# Altium PCB MotherBoard.PcbDoc (part 4 of 10) (continued)
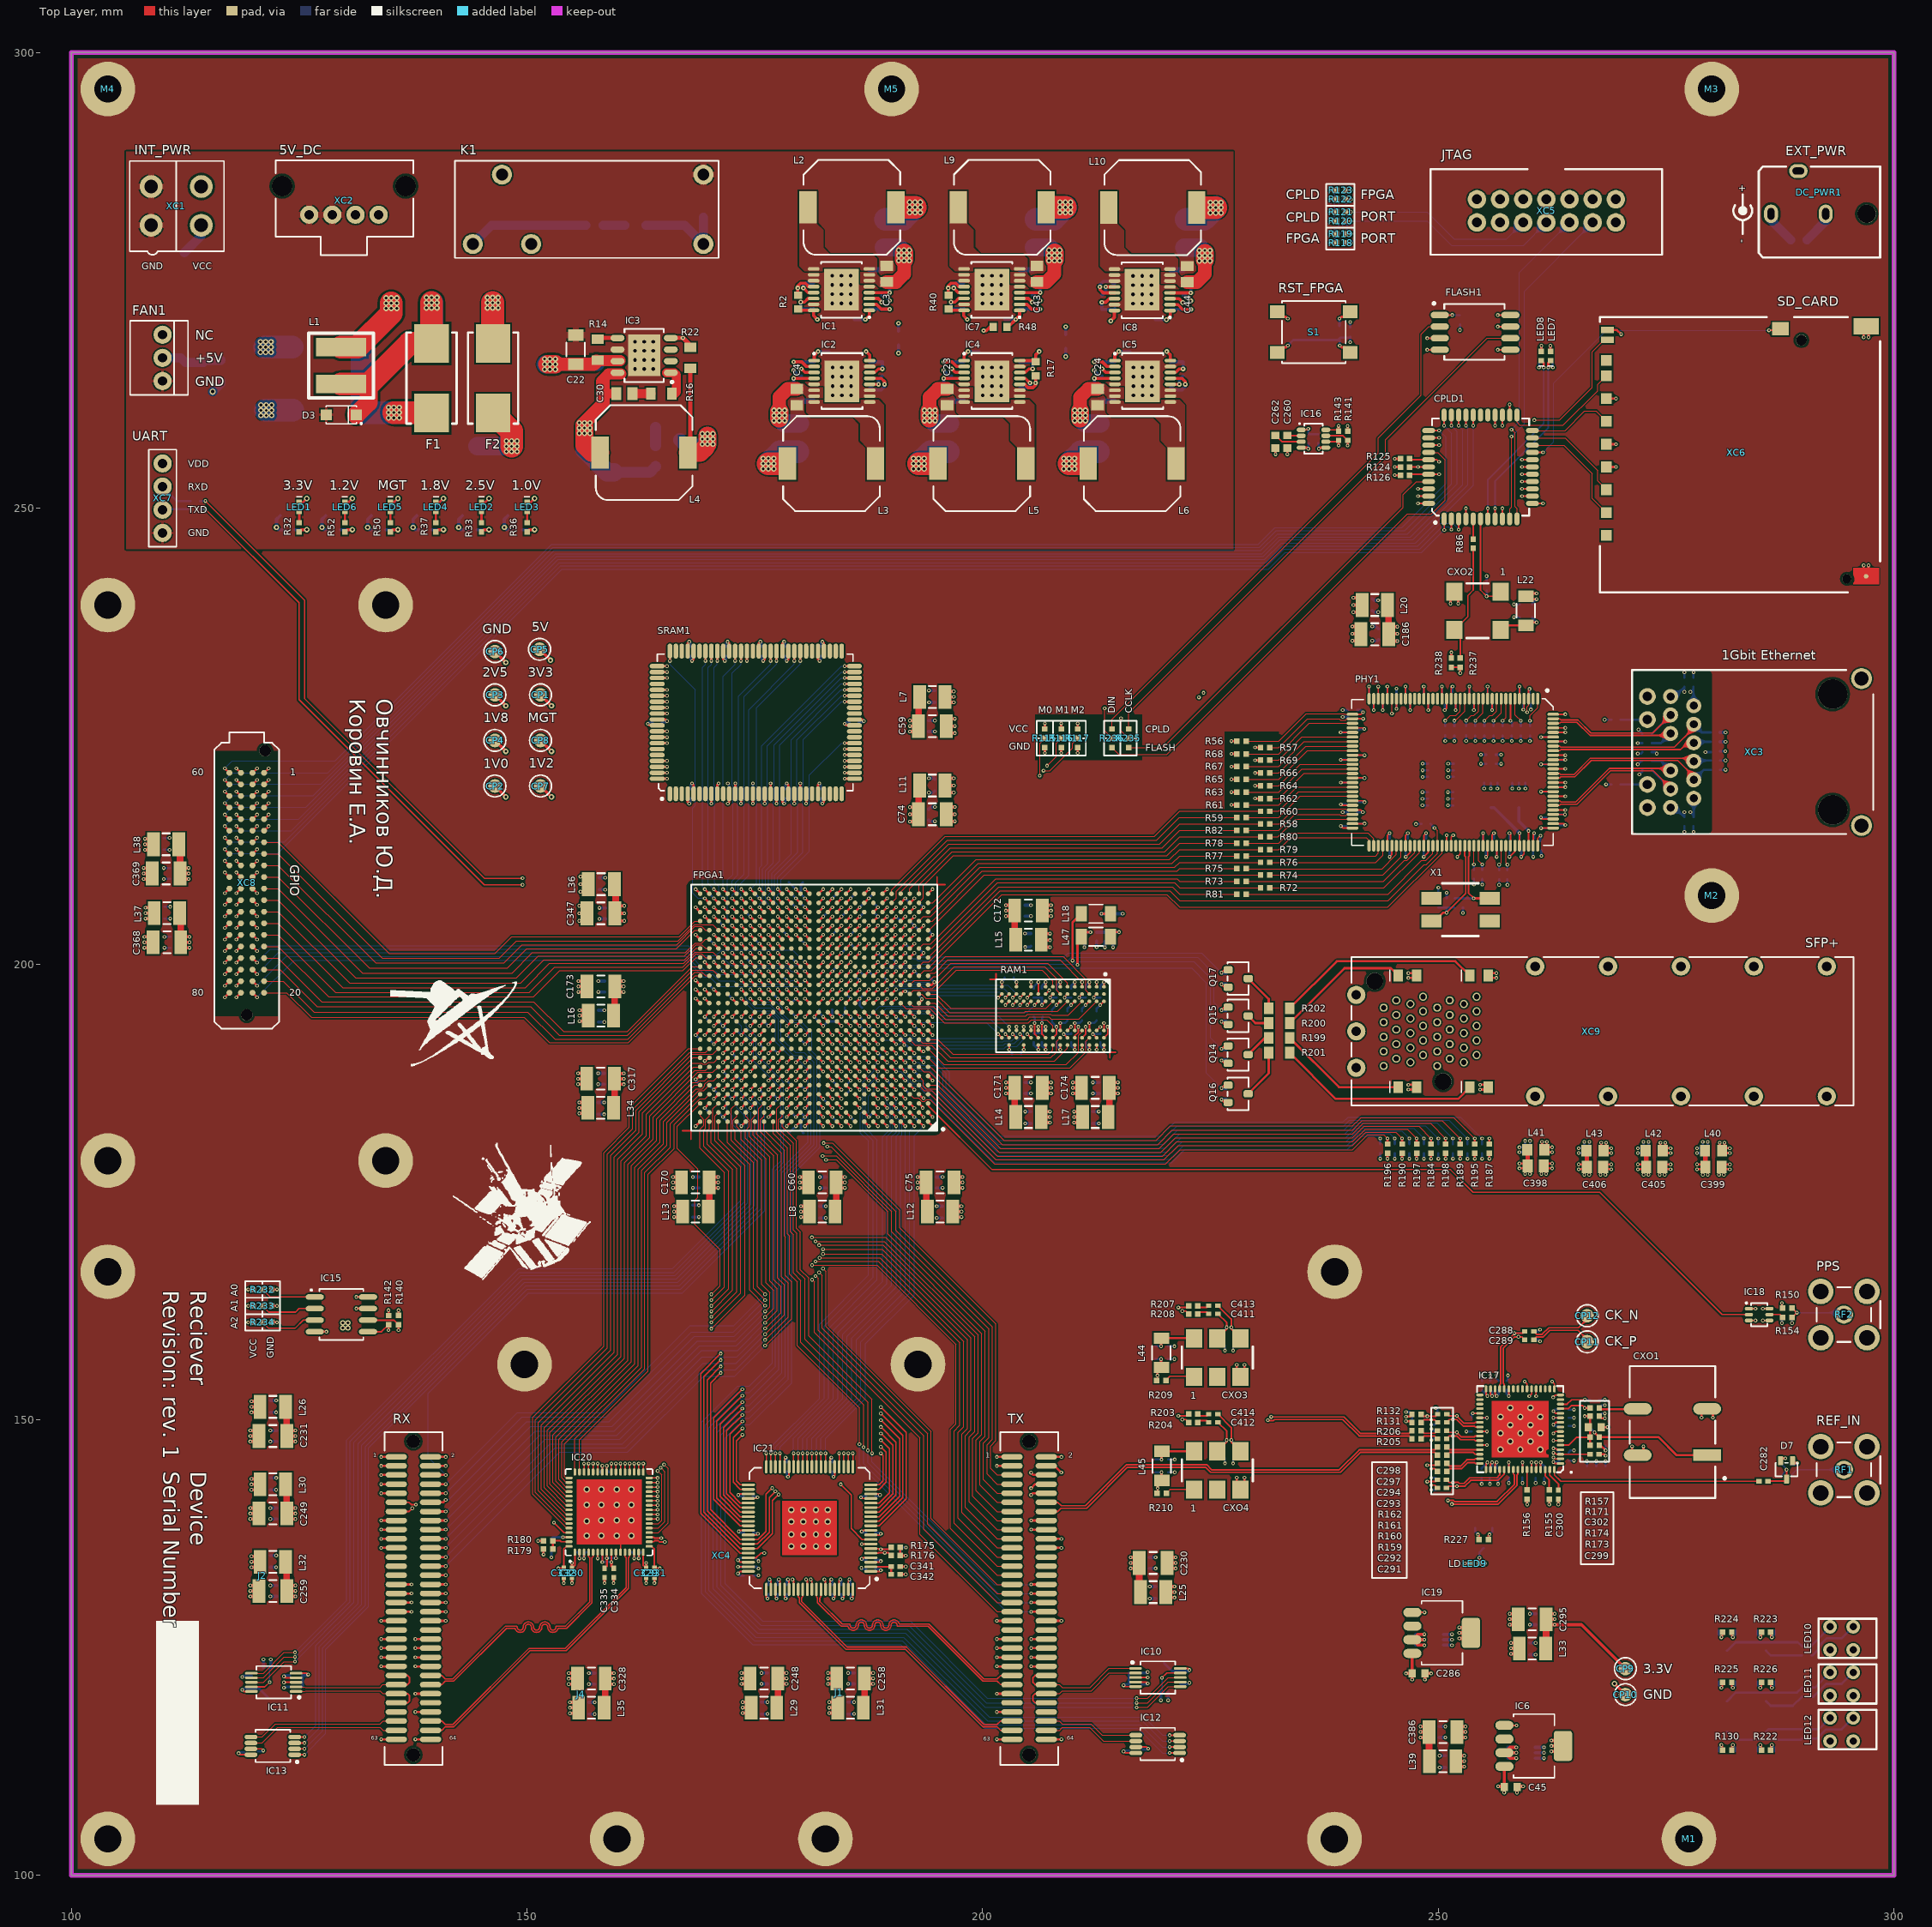
[diagram p0: Top Layer view]
## Nets (pads, with @x,y where several pads share a name; then routed paths per layer and width w, separated by ;. In a path a pad name is that pad's centre, name@x,y a point inside that pad or via, vN(x,y) a via of type N, cw(c..) or ccw(c..) an arc to the next point about the centre after c; other vN are vias at no path point) (continued)
CPLD_DEBUG_8: CPLD1.33 XC8.62 | length 156.7
  Top Layer w0.18: v1(250.625,259.071) CPLD1.33@250.625,260.225
  Top Layer w0.25: v1(116.835,220.195) XC8.62@117.335,219.695
  Bottom Layer w0.1: v1(116.835,220.195) 117.615,220.975 128.113,220.975 140.619,233.481 152.845,245.706 230.37,245.706 232.201,247.538 246.338,247.538 251.45,252.65 251.45,258.246 v1(250.625,259.071)
CPLD_DEBUG_9: CPLD1.34 XC8.61 | length 154.9
  Top Layer w0.18: CPLD1.34@248.925,258.525 v1(250.079,258.525)
  Top Layer w0.25: v1(116.835,221.465) XC8.61@117.335,220.965
  Bottom Layer w0.1: v1(116.835,221.465) 117.645,222.275 128.926,222.275 140.375,233.725 152.702,246.051 230.227,246.051 232.051,247.875 246,247.875 250.825,252.7 250.825,257.779 v1(250.079,258.525)
CPLD_DETACHED: CPLD1.43 FPGA1.R16 | length 100.5
  Top Layer w0.18: v1(247.771,251.325) CPLD1.43@248.925,251.325
  Top Layer w0.25: v1(178.5,197.2) FPGA1.R16@179,196.7
  Signal Layer 1 w0.1: v1(178.5,197.2) 178.5,197.695 179.85,199.045 179.85,208.045 186.23,214.425 213.25,214.425 247.35,248.525 247.35,250.904 v1(247.771,251.325)
CPLD_DONE: CPLD1.16 FPGA1.N16 | length 112
  Top Layer w0.18: v1(259.171,253.725) CPLD1.16@260.325,253.725
  Top Layer w0.25: v1(178.5,195.2) FPGA1.N16@179,194.7
  Signal Layer 1 w0.1: v1(178.5,195.2) 178.995,195.2 181.325,197.53 181.325,206.525 186.975,212.175 212.975,212.175 239.775,238.975 240.77,238.975 255.52,253.725 v1(259.171,253.725)
CPLD_LED: CPLD1.12 Q9.1 R223.1 | length 146.4
  Top Layer w0.18: CPLD1.12@260.325,250.525 v1(261.479,250.525) ; v1(285.325,126.115) 285.45,126.24 R223.1@285.45,126.675
  Signal Layer 2 w0.1: v1(261.479,250.525) 270.425,250.525 286.675,234.275 286.675,198.075 281.6,193 281.6,184.4 283.725,182.275 283.725,127.715 v1(285.325,126.115)
  Bottom Layer w0.18: Q9.1@285.008,126.432 v1(285.325,126.115)
  Bottom Layer w0.25: Q9.1@285.008,126.432 Q9.1@285.008,126.845
CPLD_MISC: CPLD1.44 FPGA1.P16 | length 100.5
  Top Layer w0.18: v1(247.771,250.525) CPLD1.44@248.925,250.525
  Top Layer w0.25: v1(178.5,196.2) FPGA1.P16@179,195.7
  Signal Layer 1 w0.1: v1(178.5,196.2) 178.5,196.7 180.125,198.325 180.125,207.32 186.405,213.6 213.125,213.6 247.771,248.246 v1(247.771,250.525)
CPLD_MODE: CPLD1.18 FPGA1.N17 | length 113.7
  Top Layer w0.18: v1(259.171,255.325) CPLD1.18@260.325,255.325
  Top Layer w0.25: v1(177.5,195.2) FPGA1.N17@178,194.7
  Signal Layer 1 w0.1: v1(177.5,195.2) 177.975,195.675 178.475,195.675 180.9,198.1 180.9,207.095 186.68,212.875 212.977,212.875 239.852,239.75 240.744,239.75 256.319,255.325 v1(259.171,255.325)
CPLD_START: CPLD1.14 FPGA1.P14 | length 108.8
  Top Layer w0.18: v1(259.171,252.125) CPLD1.14@260.325,252.125
  Top Layer w0.25: v1(180.5,196.2) FPGA1.P14@181,195.7
  Signal Layer 1 w0.1: v1(180.5,196.2) 181.725,197.425 181.725,205.925 187.3,211.5 212.975,211.5 239.675,238.2 240.9,238.2 242.35,239.65 242.35,239.816 252.009,249.475 253.175,249.475 255.825,252.125 v1(259.171,252.125)
CPRI_CLK_CLEAN_N: FPGA1.AB11 R205.2 | length 105
  Top Layer w0.18: v1(231.296,149.946) 231.333,149.91 231.91,149.91 232.01,150.01 239.519,150.01 241.314,148.215 246.791,148.215 R205.2@247.101,147.905
  Top Layer w0.25: FPGA1.AB11@184,203.7 v1(184.5,204.2)
  Signal Layer 1 w0.1: v1(184.5,204.2) 183.875,203.575 183.875,196.05 182.825,195 182.421,195 181.875,194.454 181.875,180.15 210.125,151.9 229.696,151.9 231.125,150.471 231.125,150.118 v1(231.296,149.946)
CPRI_CLK_CLEAN_P: FPGA1.AA11 R206.2 | length 103.1
  Top Layer w0.18: v1(231.65,150.3) 231.66,150.29 239.635,150.29 241.43,148.495 246.791,148.495 R206.2@247.101,148.805
  Top Layer w0.25: FPGA1.AA11@184,202.7 v1(184.5,203.2)
  Signal Layer 1 w0.1: v1(184.5,203.2) 184.125,202.825 184.125,195.946 182.929,194.75 182.525,194.75 182.125,194.35 182.125,180.254 210.229,152.15 229.8,152.15 v1(231.65,150.3)
DAC_LOCK: FPGA1.M20 IC21.8 | length 70.4
  Top Layer w0.13: v1(184.425,142.9) 185.575,141.75 185.575,138.05 186.775,136.85 IC21.8@187.725,136.85
  Top Layer w0.25: v1(174.5,193.2) FPGA1.M20@175,193.7
  Signal Layer 2 w0.1: v1(174.5,193.2) 175.15,192.55 175.15,183.8 174.85,183.5 174.85,180.725 174.675,180.55 174.675,157.825 171.8,154.95 171.8,147.75 176.65,142.9 v1(184.425,142.9)
DDR_A0: FPGA1.L7 RAM1.M8 | length 18.1
  Top Layer w0.18: v1(204.099,192.3) RAM1.M8@204.5,191.9
  Top Layer w0.25: FPGA1.L7@188,192.7 v1(188.5,192.2)
  Bottom Layer w0.1: v1(188.5,192.2) 189.05,191.65 191.989,191.65 192.289,191.35 193.65,191.35 193.9,191.1 202.3,191.1 202.45,191.25 203.475,191.25 204.099,191.874 v1(204.099,192.3)
DDR_A1: FPGA1.N8 RAM1.M3 | length 18.6
  Top Layer w0.18: v1(204.1,195.5) RAM1.M3@204.5,195.9
  Top Layer w0.25: FPGA1.N8@187,194.7 v1(187.5,194.2)
  Bottom Layer w0.1: v1(187.5,194.2) 188.675,195.375 195.3,195.375 195.575,195.1 203.7,195.1 v1(204.1,195.5)
DDR_A2: FPGA1.K5 RAM1.M7 | length 17.3
  Top Layer w0.18: RAM1.M7@204.5,192.7 RAM1.M7@204.51,192.71 ; v1(204.5,193.1) 204.5,192.72 RAM1.M7@204.51,192.71
  Top Layer w0.25: FPGA1.K5@190,191.7 v1(190.5,191.2)
  Bottom Layer w0.1: v1(190.5,191.2) 190.875,191.2 191.125,191.45 191.907,191.45 192.207,191.15 193.4,191.15 193.825,190.725 202.35,190.725 202.575,190.95 203.725,190.95 204.5,191.725 v1(204.5,193.1)
DDR_A3: FPGA1.T5 RAM1.N2 | length 14.9
  Top Layer w0.18: v1(203.3,196.3) RAM1.N2@203.7,196.7
  Top Layer w0.25: FPGA1.T5@190,197.7 v1(190.5,198.2)
  Bottom Layer w0.1: v1(190.5,198.2) 190.85,198.2 191.25,197.8 193.8,197.8 194.325,197.275 202.325,197.275 v1(203.3,196.3)
DDR_A4: FPGA1.L4 RAM1.N8 | length 13.4
  Top Layer w0.18: v1(203.299,192.3) RAM1.N8@203.7,191.9
  Top Layer w0.25: FPGA1.L4@191,192.7 v1(191.5,192.2)
  Bottom Layer w0.1: v1(191.5,192.2) 192.005,192.2 192.355,191.85 202.85,191.85 ; 202.85,191.851 v1(203.299,192.3)
DDR_A5: FPGA1.P6 RAM1.N3 | length 15.7
  Top Layer w0.18: v1(203.3,195.5) RAM1.N3@203.7,195.9
  Top Layer w0.25: FPGA1.P6@189,195.7 v1(189.5,196.2)
  Signal Layer 2 w0.1: v1(189.5,196.2) 190.625,195.075 202.875,195.075 v1(203.3,195.5)
DDR_A6: FPGA1.L5 RAM1.N7 | length 15.9
  Top Layer w0.18: RAM1.N7@203.7,192.7 v1(203.7,193.1)
  Top Layer w0.25: FPGA1.L5@190,192.7 v1(190.5,192.2)
  Bottom Layer w0.1: v1(190.5,192.2) 190.9,192.2 191.25,191.85 192.072,191.85 192.372,191.55 193.925,191.55 194,191.475 202.25,191.475 202.325,191.55 203.175,191.55 203.7,192.075 v1(203.7,193.1)
DDR_A7: FPGA1.R6 RAM1.P2 | length 15
  Top Layer w0.18: v1(202.5,196.3) RAM1.P2@202.9,196.7
  Top Layer w0.25: FPGA1.R6@189,196.7 v1(189.5,197.2)
  Bottom Layer w0.1: v1(189.5,197.2) 189.9,197.6 193.475,197.6 194.15,196.925 201.875,196.925 v1(202.5,196.3)
DDR_A8: FPGA1.N4 RAM1.P8 | length 13.4
  Top Layer w0.18: v1(202.499,192.3) RAM1.P8@202.9,191.9
  Top Layer w0.25: FPGA1.N4@191,194.7 v1(191.5,194.2)
  Bottom Layer w0.1: v1(191.5,194.2) 191.85,194.55 194.725,194.55 195.3,193.975 200.825,193.975 v1(202.499,192.3)
DDR_A9: FPGA1.P5 RAM1.P3 | length 13.6
  Top Layer w0.18: v1(202.5,195.5) RAM1.P3@202.9,195.9
  Top Layer w0.25: FPGA1.P5@190,195.7 v1(190.5,196.2)
  Signal Layer 2 w0.1: v1(190.5,196.2) 191.2,195.5 v1(202.5,195.5)
DDR_A10: FPGA1.T4 RAM1.M2 | length 14.7
  Top Layer w0.18: v1(204.1,196.3) RAM1.M2@204.5,196.7
  Top Layer w0.25: FPGA1.T4@191,197.7 v1(191.5,198.2)
  Bottom Layer w0.1: v1(191.5,198.2) 192.35,198.2 192.55,198 194.075,198 194.425,197.65 195.5,197.65 202.75,197.65 v1(204.1,196.3)
DDR_A11: FPGA1.N6 RAM1.P7 | length 15.5
  Top Layer w0.18: RAM1.P7@202.9,192.7 v1(202.9,193.1)
  Top Layer w0.25: FPGA1.N6@189,194.7 v1(189.5,194.2)
  Bottom Layer w0.1: v1(189.5,194.2) 190.125,194.825 194.936,194.825 195.411,194.35 201.65,194.35 v1(202.9,193.1)
DDR_A12: FPGA1.R5 RAM1.R2 | length 13
  Top Layer w0.18: v1(201.7,196.3) RAM1.R2@202.1,196.7
  Top Layer w0.25: FPGA1.R5@190,196.7 v1(190.5,197.2)
  Bottom Layer w0.1: v1(190.5,197.2) 190.9,197.2 191.05,197.35 193.25,197.35 194.075,196.525 201.475,196.525 v1(201.7,196.3)
DDR_A13: FPGA1.N3 RAM1.R8 | length 11.3
  Top Layer w0.18: v1(201.699,192.3) RAM1.R8@202.1,191.9
  Top Layer w0.25: FPGA1.N3@192,194.7 v1(192.5,194.2)
  Bottom Layer w0.1: v1(192.5,194.2) 193.1,193.6 200.399,193.6 v1(201.699,192.3)
DDR_BA0: FPGA1.R8 RAM1.L2 | length 19.6
  Top Layer w0.18: v1(204.9,196.3) RAM1.L2@205.3,196.7
  Top Layer w0.25: FPGA1.R8@187,196.7 v1(187.5,197.2)
  Signal Layer 2 w0.1: v1(187.5,197.2) 187.925,197.2 188.275,196.85 190.775,196.85 190.975,196.65 191.775,196.65 192.325,197.2 204.25,197.2 204.9,196.55 v1(204.9,196.3)
DDR_BA1: FPGA1.P8 RAM1.L3 | length 20
  Top Layer w0.18: v1(204.9,195.5) RAM1.L3@205.3,195.9
  Top Layer w0.25: FPGA1.P8@187,195.7 v1(187.5,196.2)
  Signal Layer 2 w0.1: v1(187.5,196.2) 187.925,196.2 188.275,196.55 190.645,196.55 190.87,196.325 191.925,196.325 192.425,196.825 204.15,196.825 204.5,196.475 204.5,195.9 v1(204.9,195.5)
DDR_BA2: FPGA1.T7 RAM1.L1 | length 18.6
  Top Layer w0.18: RAM1.L1@205.3,197.5 v1(205.3,198)
  Top Layer w0.25: FPGA1.T7@188,197.7 v1(188.5,198.2)
  Signal Layer 2 w0.1: v1(188.5,198.2) 188.95,198.2 189.325,197.825 191.725,197.825 192.325,198.425 204.875,198.425 v1(205.3,198)
DDR_CAS: FPGA1.M7 RAM1.L7 | length 18.5
  Top Layer w0.18: RAM1.L7@205.3,192.7 v1(205.3,193.1)
  Top Layer w0.25: FPGA1.M7@188,193.7 v1(188.5,193.2)
  Signal Layer 2 w0.1: v1(188.5,193.2) 189.125,193.825 194.95,193.825 195.275,193.5 204.9,193.5 v1(205.3,193.1)
DDR_CK_N: FPGA1.L2 R218.2 RAM1.K8 | length 22.6
  Top Layer w0.18: 205.7,192.3 RAM1.K8@206.1,191.9 ; 205.7,192.3 v1(205.7,193.5)
  Top Layer w0.25: FPGA1.L2@193,192.7 v1(193.5,192.2)
  Signal Layer 1 w0.1: v1(193.5,192.2) 193.9,192.6 193.9,194.13 194.545,194.775 195,194.775 ccw(c195,194.9) 195.125,194.9 cw(c195.425,194.9) 195.725,194.9 ccw(c196.275,194.9) 196.825,194.9 cw(c197.125,194.9) 197.425,194.9 ccw(c197.975,194.9) 198.525,194.9 cw(c198.825,194.9) 199.125,194.9 ccw(c199.675,194.9) 200.225,194.9 cw(c200.525,194.9) 200.825,194.9 ccw(c201.375,194.9) 201.911,194.775 205.425,194.775 205.975,194.225 205.975,193.775 v1(205.7,193.5)
  Bottom Layer w0.25: R218.2@205.595,194.203 205.7,194.097 v1(205.7,193.5)
DDR_CK_P: FPGA1.M2 R218.1 RAM1.J8 | length 22.3
  Top Layer w0.18: 206.5,192.3 RAM1.J8@206.9,191.9 ; 206.5,192.3 v1(206.5,193.5)
  Top Layer w0.25: FPGA1.M2@193,193.7 v1(193.5,193.2)
  Signal Layer 1 w0.1: v1(193.5,193.2) 193.625,193.325 193.625,194.209 194.441,195.025 194.889,195.025 cw(c195.425,194.9) 195.975,194.9 ccw(c196.275,194.9) 196.575,194.9 cw(c197.125,194.9) 197.675,194.9 ccw(c197.975,194.9) 198.275,194.9 cw(c198.825,194.9) 199.375,194.9 ccw(c199.675,194.9) 199.975,194.9 cw(c200.525,194.9) 201.075,194.9 ccw(c201.375,194.9) 201.675,194.9 cw(c201.8,194.9) 201.8,195.025 205.529,195.025 206.225,194.329 206.225,193.776 v1(206.5,193.5)
  Bottom Layer w0.25: v1(206.5,193.5) 206.5,194.092 R218.1@206.608,194.2
DDR_CKE: FPGA1.R7 R217.2 RAM1.K2 | length 20.8
  Top Layer w0.18: RAM1.K2@206.1,196.7 v1(206.1,198)
  Top Layer w0.25: FPGA1.R7@188,196.7 v1(188.5,197.2)
  Signal Layer 2 w0.1: v1(188.5,197.2) 188.975,197.2 189.35,197.575 205.675,197.575 v1(206.1,198)
  Bottom Layer w0.25: R217.2@205.6,197.308 205.6,197.5 v1(206.1,198)
DDR_CS: FPGA1.M6 RAM1.L8 | length 17.3
  Top Layer w0.18: v1(204.899,192.3) RAM1.L8@205.3,191.9
  Top Layer w0.25: FPGA1.M6@189,193.7 v1(189.5,193.2)
  Signal Layer 2 w0.1: v1(189.5,193.2) 189.85,193.55 194.75,193.55 195.175,193.125 202.175,193.125 202.6,192.7 204.499,192.7 v1(204.899,192.3)
DDR_DQ0: FPGA1.K2 RAM1.G8 | length 17.9
  Top Layer w0.1: FPGA1.K2@193,191.7 193.4,191.3 194.825,191.3 196.425,189.7 207.475,189.7 208.1,190.325 208.1,191.5 RAM1.G8@208.5,191.9
DDR_DQ1: FPGA1.T2 RAM1.G2 | length 18.6
  Top Layer w0.1: FPGA1.T2@193,197.7 193.4,197.3 194.495,197.3 196.87,199.675 206.8,199.675 208.1,198.375 208.1,197.1 RAM1.G2@208.5,196.7
DDR_DQ2: FPGA1.P4 RAM1.H7 | length 18.5
  Top Layer w0.1: FPGA1.P4@191,195.7 191.6,195.1 194.225,195.1 195.775,193.55 205,193.55 205.325,193.875 207.025,193.875 207.7,193.2 RAM1.H7@207.7,192.7
DDR_DQ3: FPGA1.R1 RAM1.H3 | length 14.7
  Top Layer w0.1: FPGA1.R1@194,196.7 194.9,196.7 196.475,195.125 206.925,195.125 RAM1.H3@207.7,195.9
DDR_DQ4: FPGA1.R3 RAM1.H1 | length 17.9
  Top Layer w0.1: FPGA1.R3@192,196.7 192.4,197.1 194.9,197.1 197.1,199.3 206.5,199.3 207.7,198.1 RAM1.H1@207.7,197.5
DDR_DQ5: FPGA1.K1 RAM1.H9 | length 15.1
  Top Layer w0.1: FPGA1.K1@194,191.7 195.1,191.7 196.725,190.075 207.2,190.075 207.7,190.575 RAM1.H9@207.7,191.1
DDR_DQ6: FPGA1.T3 RAM1.F1 | length 19.6
  Top Layer w0.1: FPGA1.T3@192,197.7 192.5,198.2 194.2,198.2 194.6,198.6 195.025,198.6 196.475,200.05 207.15,200.05 209.3,197.9 RAM1.F1@209.3,197.5
DDR_DQ7: FPGA1.K3 RAM1.F9 | length 19.2
  Top Layer w0.1: FPGA1.K3@192,191.7 192.6,191.1 194.375,191.1 196.15,189.325 207.875,189.325 209.3,190.75 RAM1.F9@209.3,191.1
DDR_DQ8: FPGA1.H1 RAM1.C8 | length 20.2
  Top Layer w0.1: FPGA1.H1@194,189.7 195.125,188.575 209.575,188.575 211.325,190.325 211.325,191.525 RAM1.C8@211.7,191.9
DDR_DQ9: FPGA1.U2 RAM1.C2 | length 22
  Top Layer w0.1: FPGA1.U2@193,198.7 193.575,199.275 194.4,199.275 195.925,200.8 208.8,200.8 211.3,198.3 211.3,197.1 RAM1.C2@211.7,196.7
DDR_DQ10: FPGA1.J1 RAM1.D7 | length 20.3
  Top Layer w0.1: FPGA1.J1@194,190.7 195.75,188.95 209.15,188.95 210.5,190.3 210.5,192.16 210.9,192.561 RAM1.D7@210.9,192.7
DDR_DQ11: FPGA1.P1 RAM1.D3 | length 18.2
  Top Layer w0.1: FPGA1.P1@194,195.7 194.775,195.7 196.175,194.3 204.725,194.3 204.9,194.475 207.475,194.475 207.575,194.375 209.375,194.375 RAM1.D3@210.9,195.9
DDR_DQ12: FPGA1.U1 RAM1.D1 | length 19.1
  Top Layer w0.1: FPGA1.U1@194,198.7 194.3,199 194.75,199 196.175,200.425 208.475,200.425 v1(210.9,198)
  Top Layer w0.18: RAM1.D1@210.9,197.5 v1(210.9,198)
DDR_DQ13: FPGA1.J3 RAM1.D9 | length 20.5
  Top Layer w0.18: v1(210.9,190.6) RAM1.D9@210.9,191.1
  Top Layer w0.25: FPGA1.J3@192,190.7 v1(192.5,190.2)
  Signal Layer 2 w0.1: v1(192.5,190.2) 192.975,189.725 210.542,189.725 210.9,190.083 v1(210.9,190.6)
DDR_DQ14: FPGA1.U4 RAM1.B1 | length 22.9
  Top Layer w0.18: RAM1.B1@212.5,197.5 v1(212.5,198)
  Top Layer w0.25: FPGA1.U4@191,198.7 v1(191.5,199.2)
  Signal Layer 2 w0.1: v1(191.5,199.2) 191.875,198.825 211.925,198.825 212.5,198.25 v1(212.5,198)
DDR_DQ15: FPGA1.H2 RAM1.B9 | length 21
  Top Layer w0.18: v1(212.5,190.6) RAM1.B9@212.5,191.1
  Top Layer w0.25: FPGA1.H2@193,189.7 v1(193.5,189.2)
  Signal Layer 2 w0.1: v1(193.5,189.2) 211.5,189.2 212.5,190.2 v1(212.5,190.6)
DDR_LDM: FPGA1.R2 RAM1.F3 | length 17.6
  Top Layer w0.1: FPGA1.R2@193,196.7 193.275,196.7 193.775,196.2 194.85,196.2 196.375,194.675 204.575,194.675 204.7,194.8 208.2,194.8 RAM1.F3@209.3,195.9
DDR_LDQS_N: FPGA1.U5 RAM1.E8 | length 25.2
  Top Layer w0.18: RAM1.E8@210.1,191.9 210.1,192.1 210.495,192.495 210.495,192.691 210.5,192.696 v1(210.5,193.1)
  Top Layer w0.25: FPGA1.U5@190,198.7 v1(190.5,199.2)
  Signal Layer 1 w0.1: v1(190.5,199.2) 190.875,198.825 192.025,198.825 193.475,197.375 205.575,197.375 207.975,194.975 209.675,194.975 210.25,194.4 210.25,193.925 210.5,193.675 v1(210.5,193.1)
DDR_LDQS_P: FPGA1.U6 RAM1.F7 | length 25.1
  Top Layer w0.18: RAM1.F7@209.3,192.7 v1(209.7,193.1)
  Top Layer w0.25: FPGA1.U6@189,198.7 v1(189.5,199.2)
  Signal Layer 1 w0.1: v1(189.5,199.2) 190.125,198.575 191.921,198.575 193.371,197.125 205.471,197.125 207.871,194.725 209.571,194.725 210,194.296 210,193.93 209.7,193.63 v1(209.7,193.1)
DDR_ODT: FPGA1.L3 R219.2 RAM1.K9 | length 16.5
  Top Layer w0.18: v1(206.1,190.6) RAM1.K9@206.1,191.1
  Top Layer w0.25: FPGA1.L3@192,192.7 v1(192.5,192.2)
  Signal Layer 2 w0.1: v1(192.5,192.2) 193.3,191.4 205.3,191.4 v1(206.1,190.6)
  Bottom Layer w0.25: R219.2@205.6,191.4 205.6,191.1 v1(206.1,190.6)
DDR_RAS: FPGA1.M5 RAM1.K7 | length 18.1
  Top Layer w0.18: RAM1.K7@206.1,192.7 v1(206.1,193.1)
  Top Layer w0.25: FPGA1.M5@190,193.7 v1(190.5,193.2)
  Signal Layer 2 w0.1: v1(190.5,193.2) 190.975,192.725 192.47,192.725 193.395,191.8 205.3,191.8 206.1,192.6 v1(206.1,193.1)
DDR_UDM: FPGA1.P3 RAM1.B3 | length 22.2
  Top Layer w0.1: FPGA1.P3@192,195.7 192.4,195.3 194.575,195.3 195.95,193.925 204.9,193.925 205.15,194.175 207.275,194.175 207.5,193.95 210.55,193.95 RAM1.B3@212.5,195.9
DDR_UDQS_N: FPGA1.M1 RAM1.A8 | length 23.2
  Top Layer w0.18: RAM1.A8@213.3,191.9 213.712,192.313 v1@213.712,193.1
  Top Layer w0.25: FPGA1.M1@194,193.7 v1(194.5,193.2)
  Signal Layer 1 w0.1: v1(194.5,193.2) 194.65,193.05 194.65,192.671 195.871,191.45 212.579,191.45 213.425,192.296 213.425,192.825 v1(213.7,193.1)
DDR_UDQS_P: FPGA1.N1 RAM1.B7 | length 22.7
  Top Layer w0.18: RAM1.B7@212.5,192.7 212.9,193.1 v1(212.909,193.091)
  Top Layer w0.25: FPGA1.N1@194,194.7 v1(194.5,194.2)
  Signal Layer 1 w0.1: v1(194.5,194.2) 194.9,193.8 194.9,192.775 195.975,191.7 212.475,191.7 213.175,192.4 213.175,192.825 v1(212.909,193.091)
DDR_WE: FPGA1.N7 RAM1.K3 | length 19.3
  Top Layer w0.18: v1(205.7,195.5) RAM1.K3@206.1,195.9
  Top Layer w0.25: FPGA1.N7@188,194.7 v1(188.5,194.2)
  Bottom Layer w0.1: v1(188.5,194.2) 189.425,195.125 195.1,195.125 195.5,194.725 204.925,194.725 v1(205.7,195.5)
DIN: FPGA1.R15 R236.2 | length 58
  Top Layer w0.1: v1(213.375,228.05) 213.375,225.586 R236.2@214.2,224.761
  Top Layer w0.25: v1(179.5,197.2) FPGA1.R15@180,196.7
  Signal Layer 2 w0.1: v1(179.5,197.2) 179.5,197.7 181.725,199.925 181.725,210.975 195.825,225.075 195.825,225.471 196.804,226.45 197.35,226.45 198.95,228.05 v1(213.375,228.05)
DIN_CPLD: CPLD1.37 R236.1 | length 54.9
  Top Layer w0.1: R236.1@214.2,223.745 214.945,223 220.225,223 246.625,249.4 249.225,249.4 250.725,250.9 250.725,255.325 249.925,256.125 CPLD1.37@248.925,256.125
DIN_FLASH: FLASH1.2 R236.3 | length 59.7
  Top Layer w0.1: R236.3@214.2,225.777 214.2,226.85 243.388,256.038 243.388,257.713 248.1,262.425 248.1,269.075 248.955,269.93 FLASH1.2@250.15,269.93
DONE: CPLD1.40 FPGA1.W10 R126.2 | length 98.8
  Top Layer w0.18: R126.2@246.848,253.625 246.948,253.725 CPLD1.40@248.925,253.725 v1(250.079,253.725)
  Top Layer w0.25: FPGA1.W10@185,200.7 v1(185.5,201.2)
  Signal Layer 2 w0.1: v1(185.5,201.2) 185.15,201.55 185.15,209.375 191.8,216.025 192.5,216.025 196.325,219.85 196.325,220.625 199.875,224.175 217.125,224.175 223.2,230.25 231.025,230.25 240.55,239.775 240.8,239.775 249.575,248.55 249.575,253.221 v1(250.079,253.725)
DVDD_ADC: C85.2 C86.2 C87.2 C105.2 C106.2 C107.2 C315.1 C316.1 C317.1 C333.2 FPGA1.F26 FPGA1.G23 FPGA1.H20 FPGA1.J17 FPGA1.K14 FPGA1.M18 IC20.42 L34.1 | length 17.9
  Top Layer w0.18: IC20.42@158.25,144.25 v1(158.25,144.925)
  Top Layer w0.25: v1(168.5,187.35) 168.575,187.35 168.925,187.7 FPGA1.F26@169,187.7 ; v1(171.5,188.2) FPGA1.G23@172,188.7 ; v1(174.5,189.2) FPGA1.H20@175,189.7 ; v1(176.5,193.2) FPGA1.M18@177,193.7 ; v1(177.5,190.2) FPGA1.J17@178,190.7 ; v1(180.5,191.2) FPGA1.K14@181,191.7
  Top Layer w0.35: C317.1@159.6,186.8 159.609,186.791 v1(160.624,186.791) ; C317.1@159.6,187.4 159.609,187.391 v1(160.624,187.391) ; C317.1@159.6,188 159.609,187.991 v1(160.624,187.991)
  Top Layer w0.72: L34.1@159.473,184.2 159.6,184.327 C317.1@159.6,187.4
  Bottom Layer w0.25: C333.2@158,144.25 158.25,144.5 v1(158.25,144.925) ; v1(168.5,187.35) 168.5,187.2 C85.2@169,186.7 ; v1(171.5,188.2) C86.2@172,187.7 ; C106.2@174,189.7 v1(174.5,189.2) ; C107.2@176,193.7 v1(176.5,193.2) ; C87.2@177,190.7 v1(177.5,190.2) ; C105.2@180,191.7 v1(180.5,191.2)
  Bottom Layer w0.35: C315.1@159.876,186.8 159.885,186.791 v1(160.624,186.791) ; C316.1@159.876,188 159.885,187.991 v1(160.624,187.991)
DVDD_CLK: C264.1 C265.2 C266.1 C267.2 C268.1 C269.2 C270.1 C271.2 C272.1 C273.2 C274.1 C276.2 C277.2 C278.1 C279.2 C280.2 C281.2 C287.1 C290.1 C295.2 CP9.1 CXO1.4 IC17.1 IC17.4 IC17.11 IC17.12 IC17.27 IC17.30 IC17.31 IC17.32 IC17.38 IC17.41 IC17.49 IC17.50 IC17.51 IC17.54 IC17.57 IC17.60 IC17.61 L33.1 R131.1 R132.1 R171.1 | length 47.2
  Top Layer w0.18: IC17.41@254.55,148.7 v1(255.325,148.7) ; IC17.38@254.55,150.2 v1(255.325,150.2) ; IC17.49@255.225,144.525 255.225,145.15 v1(255.375,145.3) ; IC17.32@255.225,153.375 255.225,152.75 v1(255.375,152.6) ; IC17.50@255.725,144.525 255.725,145.125 v1(255.9,145.3) ; IC17.31@255.725,153.375 255.725,152.775 v1(255.9,152.6) ; IC17.51@256.225,144.525 256.225,145.125 v1(256.4,145.3) ; IC17.30@256.225,153.375 256.225,152.775 v1(256.4,152.6) ; IC17.54@257.725,144.525 v1(257.725,145.3) ; v1(257.725,152.6) IC17.27@257.725,153.375 ; IC17.57@259.225,144.525 v1(259.225,145.3) ; IC17.60@260.725,144.525 v1(260.725,145.3) ; IC17.61@261.225,144.525 v1(261.225,145.3) ; v1(262.625,145.35) 262.775,145.2 IC17.1@263.4,145.2 ; v1(262.625,146.85) 262.85,146.85 263,146.7 IC17.4@263.4,146.7 ; v1(262.625,150.2) IC17.11@263.4,150.2 ; v1(262.625,150.925) 262.85,150.7 IC17.12@263.4,150.7
  Top Layer w0.25: v1(246.45,149.825) 246.945,149.825 R131.1@247.095,149.675 ; v1(246.45,150.325) 246.845,150.325 R132.1@247.101,150.581 ; R171.1@267.658,150.375 267.883,150.15 v1(268.275,150.15) ; CXO1.4@271.255,146.48 v1(271.255,147.055) ; CXO1.4@272.505,146.48 v1(272.505,147.055)
  Top Layer w0.35: C295.2@261.824,127.5 v1(262.774,127.5) 265.7,127.5 CP9.1@270.525,122.675 ; C295.2@261.824,128.1 v1(262.774,128.1) ; C295.2@261.824,128.7 v1(262.774,128.7)
  Top Layer w0.72: L33.1@261.697,124.9 261.824,125.027 C295.2@261.824,128.1
  Bottom Layer w0.25: C281.2@254.65,148.7 v1(255.325,148.7) ; C280.2@254.65,150.2 v1(255.325,150.2) ; C265.2@254.75,144.625 254.75,144.675 v1(255.375,145.3) ; C279.2@254.8,153.275 254.8,153.175 v1(255.375,152.6) ; C266.1@255.65,144.625 255.9,144.875 v1(255.9,145.3) ; C278.1@255.7,153.275 255.9,153.075 v1(255.9,152.6) ; v1(256.4,145.3) 256.4,144.825 256.375,144.8 C267.2@256.55,144.625 ; v1(256.4,152.6) 256.6,152.8 C277.2@256.6,153.275 ; C276.2@257.5,153.275 257.5,152.825 v1(257.725,152.6) ; C268.1@257.725,144.625 v1(257.725,145.3) ; C269.2@259.225,144.625 v1(259.225,145.3) ; C270.1@260.725,144.625 v1(260.725,145.3) ; v1(261.225,145.3) 261.6,144.925 C271.2@261.6,144.625 ; v1(262.625,145.35) 263.15,145.35 C272.1@263.3,145.5 ; v1(262.625,146.85) 262.85,146.85 C264.1@263.3,146.4 ; v1(262.625,150.2) C273.2@263.3,150.2 ; v1(262.625,150.925) 262.8,151.1 C274.1@263.3,151.1
  Bottom Layer w0.35: C290.1@262.1,127.5 v1(262.774,127.5) ; C287.1@262.1,128.7 v1(262.774,128.7)
DVDD_FPGA: C76.2 C80.1 C81.1 C82.1 C83.1 C84.1 C94.2 C98.1 C99.2 C100.1 C101.1 C102.1 C103.1 C104.1 C115.2 C116.2 C117.2 C131.2 C132.2 C133.2 C160.1 C166.1 C171.1 CPLD1.15 CPLD1.26 CPLD1.35 FLASH1.3 FLASH1.7 FLASH1.8 FPGA1.A21 FPGA1.AB15 FPGA1.AC25 FPGA1.B18 FPGA1.C25 FPGA1.D22 FPGA1.E19 FPGA1.F16 FPGA1.K24 FPGA1.L21 FPGA1.N15 FPGA1.N25 FPGA1.P22 FPGA1.R19 FPGA1.T16 FPGA1.T26 FPGA1.U23 FPGA1.V20 FPGA1.W11 FPGA1.Y14 FPGA1.Y24 IC15.8 IC16.5 IC16.8 IC18.1 IC18.4 L14.2 R85.2 R113.2 R114.2 R115.1 R116.1 R117.1 R124.1 R125.2 R126.1 R127.1 R128.2 R133.2 R140.2 R141.2 R142.2 R143.2 R183.2 R184.2 R185.2 R186.2 R187.2 R188.2 R189.2 R190.2 R191.2 R192.2 R193.2 R194.2 R195.2 R196.2 R197.2 R198.2 R232.1 R233.1 R234.1 XC5.2 XC6.4 XC6.11 | length 73.2
  Top Layer w0.18: IC16.8@237.65,258.6 238.915,258.6 R143.2@239.05,258.465 ; v1(248.775,268.66) FLASH1.3@250.15,268.66 ; CPLD1.35@248.925,257.725 v1(250.079,257.725) ; v1(256.225,259.071) CPLD1.26@256.225,260.225 ; v1(256.522,269.93) FLASH1.7@257.897,269.93 ; v1(256.522,271.2) FLASH1.8@257.897,271.2 ; v1(259.171,252.925) CPLD1.15@260.325,252.925 ; IC18.1@284.075,162.175 v1(284.8,162.175) ; v1(285.6,160.875) IC18.4@286.325,160.875
  Top Layer w0.25: v1(119.392,160.675) R234.1@119.959,160.675 ; v1(119.392,162.475) R233.1@119.959,162.475 ; v1(119.392,164.275) R232.1@119.959,164.275 ; v1(131.27,163.455) IC15.8@132.546,163.455 ; R142.2@134.8,161.433 v1(134.8,162) ; R140.2@135.9,161.433 v1(135.9,162) ; v1(168.5,198.2) FPGA1.T26@169,197.7 ; v1(169.5,184.2) FPGA1.C25@170,184.7 ; v1(169.5,194.2) FPGA1.N25@170,194.7 ; v1(169.5,205.2) FPGA1.AC25@170,204.7 ; v1(170.5,191.2) FPGA1.K24@171,191.7 ; v1(170.5,202.2) FPGA1.Y24@171,201.7 ; v1(171.5,199.2) FPGA1.U23@172,198.7 ; v1(172.5,185.2) FPGA1.D22@173,185.7 ; v1(172.5,196.2) FPGA1.P22@173,195.7 ; v1(173.5,182.2) FPGA1.A21@174,182.7 ; v1(173.5,192.2) FPGA1.L21@174,192.7 ; v1(174.5,200.2) FPGA1.V20@175,199.7 ; v1(175.5,186.2) FPGA1.E19@176,186.7 ; v1(175.5,197.2) FPGA1.R19@176,196.7 ; v1(176.5,183.2) FPGA1.B18@177,183.7 ; v1(178.5,187.2) FPGA1.F16@179,187.7 ; v1(178.5,198.2) FPGA1.T16@179,197.7 ; v1(179.5,194.2) FPGA1.N15@180,194.7 ; v1(179.5,204.2) FPGA1.AB15@180,203.7 ; v1(180.5,202.2) FPGA1.Y14@181,201.7 ; FPGA1.W11@184,200.7 v1(184.5,201.2) ; R115.1@206.816,225.777 v1(206.816,226.377) ; R116.1@208.616,225.777 v1(208.616,226.377) ; R117.1@210.416,225.777 v1(210.416,226.377) ; v1(236.875,256.525) 237,256.65 IC16.5@237.65,256.65 ; R143.2@239.05,258.465 v1(239.05,259.032) ; R141.2@240.05,258.458 v1(240.05,259.025) ; v1(244.42,178.627) R196.2@244.42,179.226 ; v1(245.215,253.625) R126.1@245.832,253.625 ; v1(245.215,254.525) R124.1@245.832,254.525 ; v1(245.215,255.425) R125.2@245.832,255.425 ; v1(246.02,178.627) R190.2@246.02,179.227 ; v1(247.62,178.627) R197.2@247.62,179.227 ; v1(249.2,178.627) R184.2@249.2,179.227 ; v1(250.8,178.627) R198.2@250.8,179.227 ; v1(252.4,178.627) R189.2@252.4,179.227 ; v1(254,178.627) R195.2@254,179.227 ; v1(255.6,178.627) R187.2@255.6,179.227 ; XC6.4@268.434,257.03 v1(269.495,257.03) ; XC6.11@268.534,269.56 269.59,269.56 v1(270.05,269.1)
  Top Layer w0.35: v1(202.55,185.8) C171.1@203.5,185.8 ; v1(202.55,186.4) C171.1@203.5,186.4 ; v1(202.55,187) C171.1@203.5,187
  Top Layer w0.72: C171.1@203.5,186.4 203.5,183.327 L14.2@203.627,183.2
  Bottom Layer w0.25: v1(168.5,198.2) C102.1@169,197.7 ; v1(169.5,184.2) C117.2@170,183.7 ; v1(169.5,194.2) C83.1@170,193.7 ; v1(169.5,205.2) C101.1@170,204.7 ; C100.1@170,191.7 v1(170.5,191.2) ; C76.2@170,202.7 v1(170.5,202.2) ; C98.1@171,199.7 v1(171.5,199.2) ; C131.2@172,185.7 v1(172.5,185.2) ; C82.1@172,196.7 v1(172.5,196.2) ; C132.2@173,182.7 v1(173.5,182.2) ; C80.1@173,192.7 v1(173.5,192.2) ; C94.2@174,200.7 v1(174.5,200.2) ; v1(175.5,186.2) C116.2@176,185.7 ; v1(175.5,197.2) C84.1@176,196.7 ; v1(176.5,183.2) 176.525,183.2 C133.2@177,183.675 ; C104.1@178,198.7 v1(178.5,198.2) ; v1(178.5,187.2) C115.2@179,186.7 ; C103.1@179,194.7 v1(179.5,194.2) ; C81.1@180,202.7 v1(180.5,202.2) ; v1(184.5,201.2) C99.2@185,201.7 ; R128.2@236.825,257.117 236.875,257.067 v1(236.875,256.525) ; R133.2@240.325,269.833 v1(240.325,270.425) ; v1(243.62,178.627) R188.2@243.62,179.226 ; v1(245.22,178.627) R192.2@245.22,179.226 ; v1(246.82,178.627) R186.2@246.82,179.227 ; v1(248.42,178.626) R191.2@248.42,179.226 ; v1(250,178.627) R194.2@250,179.227 ; v1(251.6,178.627) R193.2@251.6,179.227 ; v1(252.375,269.567) R127.1@252.375,270.167 ; v1(253.2,178.627) R185.2@253.2,179.227 ; v1(254.8,178.627) R183.2@254.8,179.227 ; R85.2@255.3,241.958 v1(255.3,242.558) ; v1(261.038,265.438) 261.038,265.938 R114.2@261.3,266.2 ; R113.2@262.3,266.2 262.563,265.937 v1(262.563,265.438)
  Bottom Layer w0.35: v1(202.55,185.8) C160.1@203.224,185.8 ; v1(202.55,187) C166.1@203.224,187
  other v2: 129.775,160.05 130.35,160.05 129.775,160.625 130.35,160.625